# Altium PCB main_io.PcbDoc (part 5 of 6)
Units mil, origin at the board's own origin, x right, y up, seen from the top; angles counter-clockwise.
Board outline 6000 x 9000 mil, 4 copper layers (Top Layer, GND, PWR, Bottom Layer), stack 25.634 mil thick; 548 components, 268 nets, 1608 pads, 404 vias.
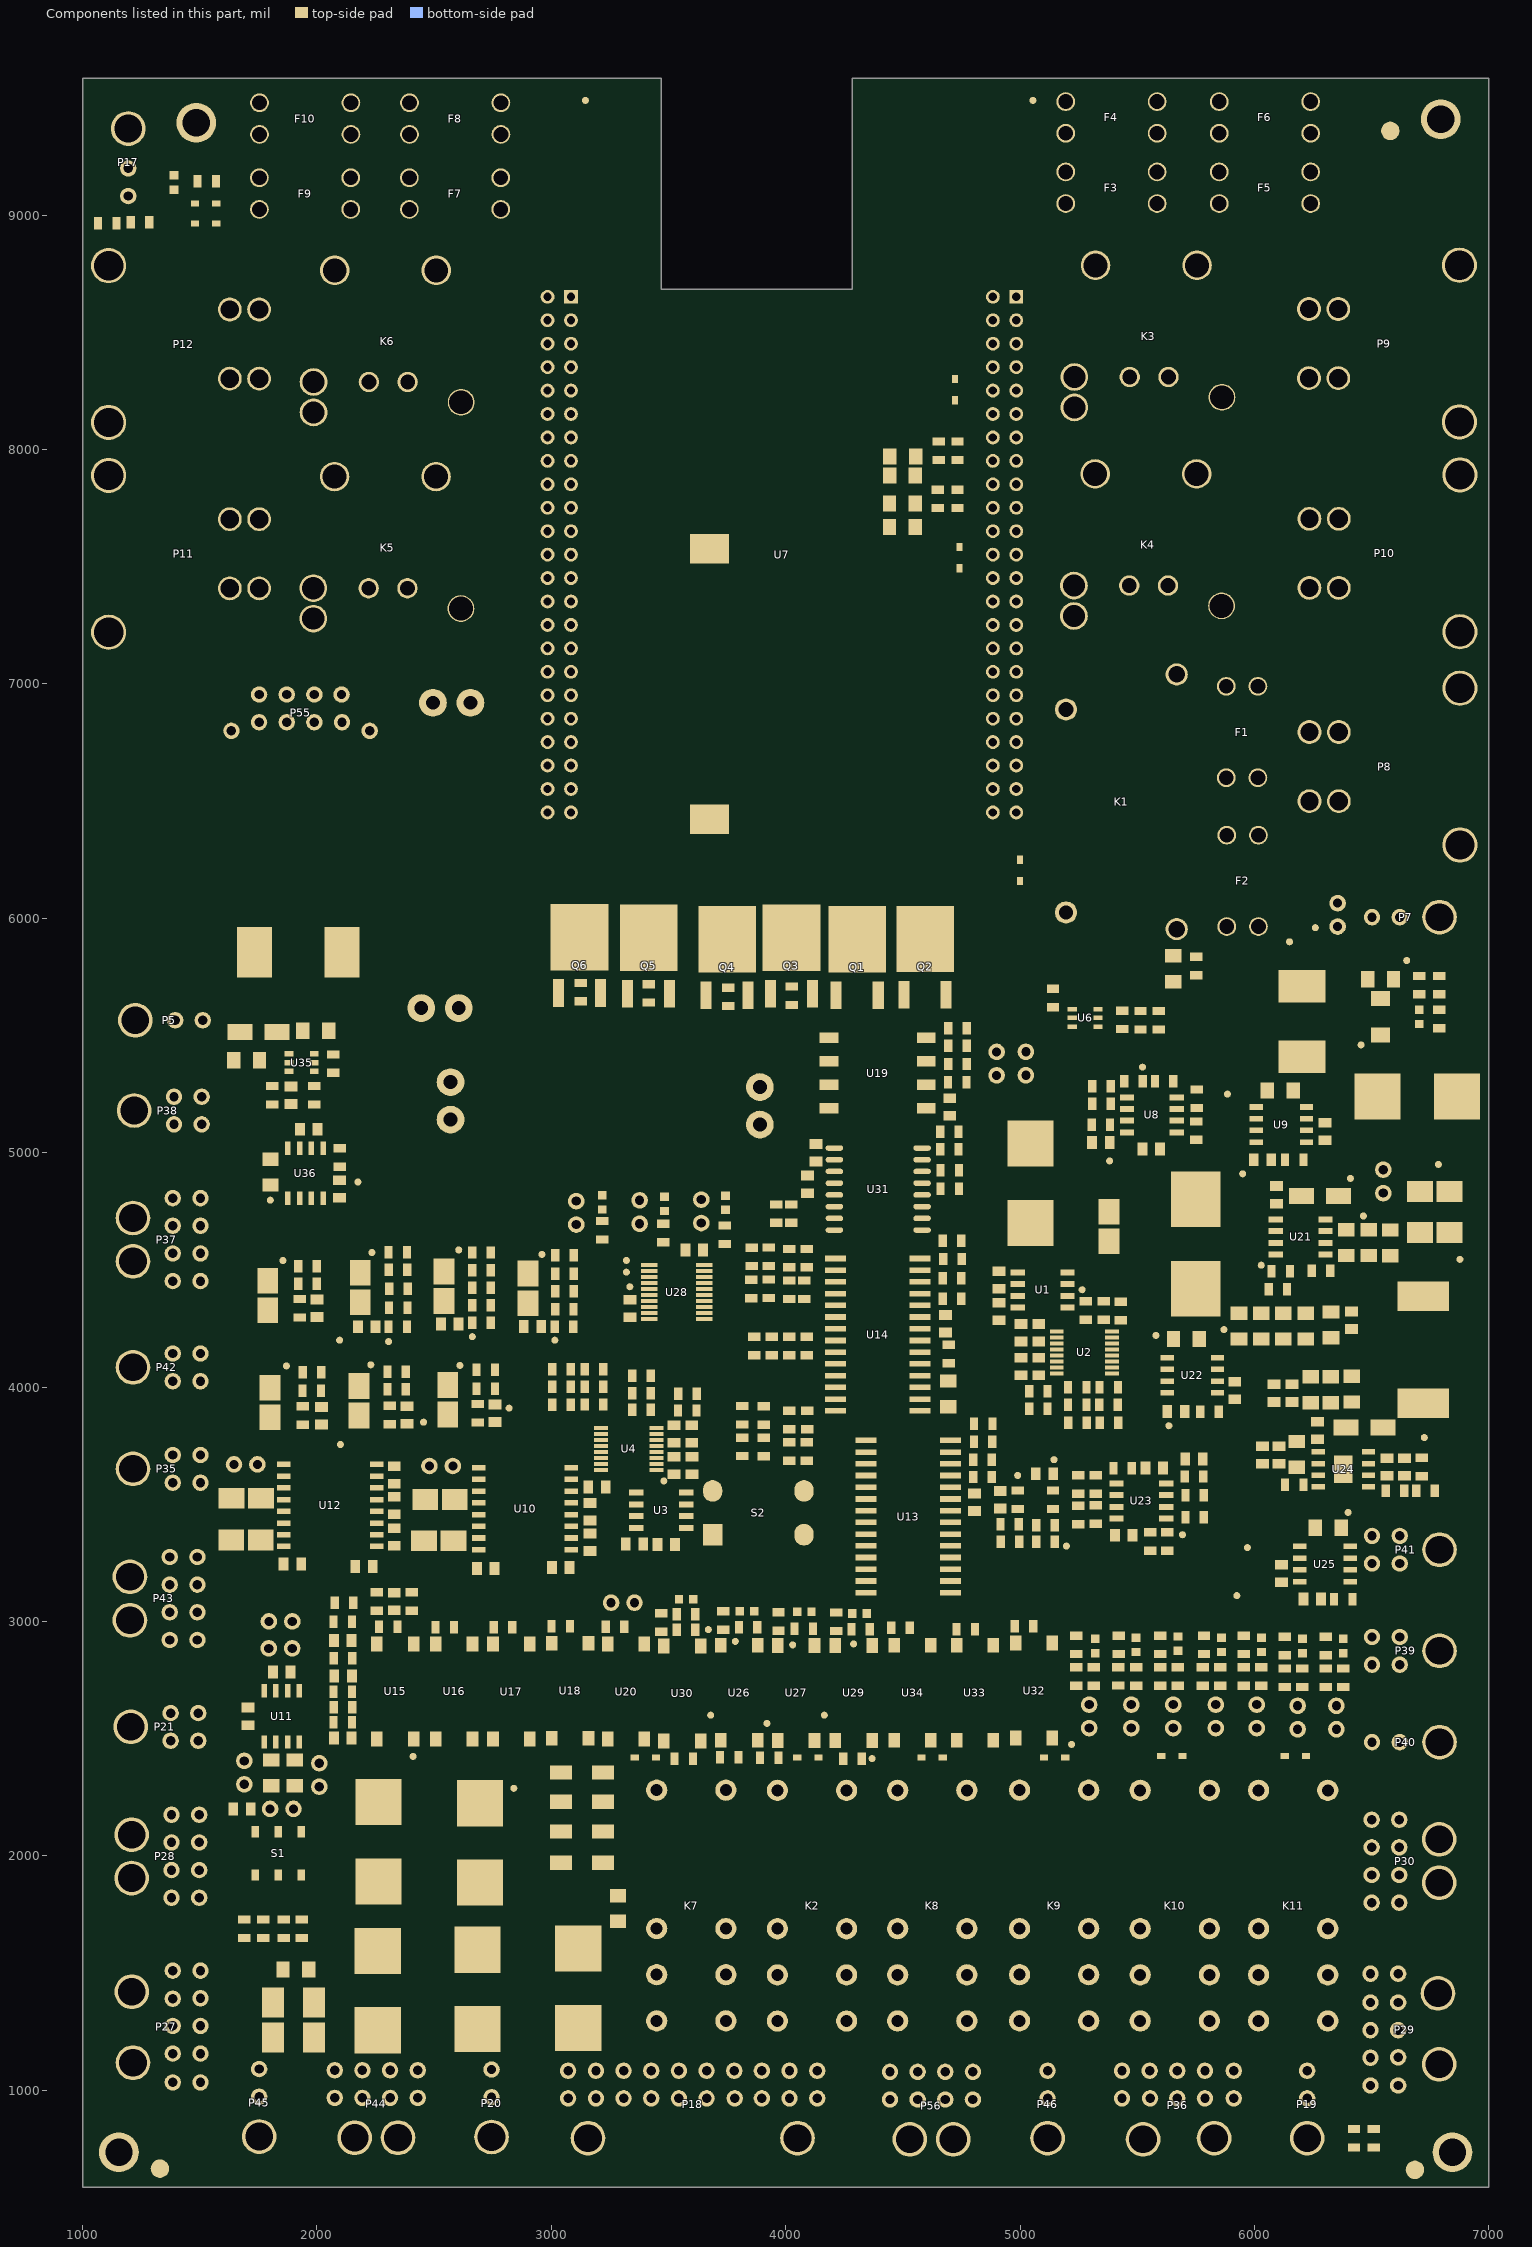
[diagram p7: the components of this part, seen from the top]

## Polygon pours and split planes (outlines as drawn) (continued)
V-POS3.3V on Top Layer "Top Layer-V-POS3.3V 12" (solid, remove dead copper, pour order 970): 4620,7875 4637.01,7892.01 4742.99,7892.01 4760,7875 4760,7815 4755,7810 4625,7810 4620,7815
BMS_MPO1 on Top Layer "Top Layer-BMS_MPO1" (solid, remove dead copper, pour order 98): 1155,9270 1410,9270 1430,9250 1430,9155 1170,9155 1130,9195 1130,9245
"MSTR_SW +" on Top Layer "Top Layer-MSTR_SW + 13" (solid, remove dead copper, pour order 964): 4280,2510 4275,2505 4275,2460 4300,2435 4300,2390 4305,2385 4340,2385 4343.33,2388.33 4343.33,2440 4315,2468.33 4315,2500 4305.29,2509.71
NetR174_2 on Top Layer "Top Layer-NetR174_2" (solid, remove dead copper, pour order 962): 4190,2525 4185,2520 4185,2440 4230,2395 4260,2395 4265,2400 4265,2455 4240,2480 4240,2520 4235,2525
NetR164_2 on Top Layer "Top Layer-NetR164_2" (solid, remove dead copper, pour order 960): 3700,2525 3695,2520 3695,2400 3705,2390 3735,2390 3750,2405 3750,2515 3740,2525
"MSTR_SW +" on Top Layer "Top Layer-MSTR_SW + 14" (solid, remove dead copper, pour order 958): 3780,2515 3770,2505 3770,2407 3787,2390 3900,2390 3915,2405 3915,2440 3905,2450 3830,2450 3825,2455 3825,2510 3820,2515
GND on Top Layer "Top Layer-GND 105" (solid, remove dead copper, pour order 956): 2485,3145 2500,3130 2500,3115 2485,3100 2310,3100 2300,3110 2300,3135 2310,3145
LIM_MCU0 on Top Layer "Top Layer-LIM_MCU0" (solid, remove dead copper, pour order 954): 2420,3080 2465,3035 2465,2892.99 2437.01,2865 2400,2865 2390.98,2874.02 2390.98,3005 2375.98,3020 2234.74,3020 2225,3029.74 2225,3070 2235,3080
V-POS3.3V on Top Layer "Top Layer-V-POS3.3V 6" (solid, remove dead copper, pour order 952): 4703.33,8158.7 4628.7,8158.7 4600,8130 4600,8035 4615,8020 4760,8020 4771.52,8031.52 4771.52,8138.48 4755,8155
V-POS12V on Top Layer "Top Layer-V-POS12V 1" (solid, pour order 890): 17 vertices, not listed, extent 3050,4600 3255,4735
GND on Top Layer "Top Layer-GND 16" (solid, pour order 944): 4005,5740 3990,5725 3990,5695 3995,5690 4080,5690 4085,5685 4085,5580.51 4095.51,5570 4173.86,5570 4185,5581.14 4185,5605 4150,5640 4150,5735 4145,5740
GND on Top Layer "Top Layer-GND 17" (solid, pour order 942): 3729.17,5732.4 3722.91,5726.14 3722.91,5693.71 3729.21,5687.4 3809.21,5687.4 3814.21,5682.4 3814.21,5560.79 3827.6,5547.4 3857.4,5547.4 3869.21,5559.21 3869.21,5722.4 3859.21,5732.4
GND on Top Layer "Top Layer-GND 18" (solid, pour order 940): 3394.17,5742.4 3387.91,5736.14 3387.91,5703.71 3394.21,5697.4 3474.21,5697.4 3479.21,5692.4 3479.21,5557.4 3489.21,5547.4 3529.21,5547.4 3534.21,5552.4 3534.21,5732.4 3524.21,5742.4
GND on Top Layer "Top Layer-GND 22" (solid, pour order 938): 3099.95,5745 3093.69,5738.74 3093.69,5706.31 3100,5700 3180,5700 3185,5695 3185,5560 3195,5550 3235,5550 3240,5555 3240,5735 3230,5745
BATT1_DISABLE on Top Layer "Top Layer-BATT1_DISABLE" (solid, pour order 936): 3905,5742.91 3900,5737.91 3900,5623.43 3915.51,5607.91 4060.63,5607.91 4070,5617.28 4070,5663.91 4061,5672.91 3985,5672.91 3975,5682.91 3975,5737.91 3970,5742.91
BATT0_DISABLE on Top Layer "Top Layer-BATT0_DISABLE" (solid, pour order 934): 3635,5739.37 3630,5734.37 3630,5619.88 3645.51,5604.37 3790.63,5604.37 3800,5613.74 3800,5660.37 3791,5669.37 3715,5669.37 3705,5679.37 3705,5734.37 3700,5739.37
BATT2_DISABLE on Top Layer "Top Layer-BATT2_DISABLE" (solid, pour order 932): 3295,5740 3290,5735 3290,5620.51 3305.51,5605 3450.63,5605 3460,5614.37 3460,5661 3451,5670 3375,5670 3365,5680 3365,5735 3360,5740
BATT3_DISABLE on Top Layer "Top Layer-BATT3_DISABLE" (solid, pour order 930): 2995,5745 2990,5740 2990,5625.51 3005.51,5610 3150.63,5610 3160,5619.37 3160,5666 3151,5675 3075,5675 3065,5685 3065,5740 3060,5745
GND on Top Layer "Top Layer-GND 23" (solid, pour order 924): 5930,5000 5914.37,4984.37 5914.37,4955 5929.37,4940 6016.69,4940 6020,4943.31 6020,4990 6010,5000
NetR86_1 on Top Layer "Top Layer-NetR86_1" (solid, pour order 920): 4654.82,4490.32 4630,4465.5 4630,4465 4530,4465 4525,4460 4525,4435.57 4530,4430.57 4634.43,4430.57 4653.54,4411.46 4653.54,4350 4658.54,4345 4690,4345 4692.78,4347.78 4692.78,4482.54 4685,4490.32
NetR85_1 on Top Layer "Top Layer-NetR85_1" (solid, pour order 918): 4650,4655 4640,4645 4640,4530.47 4621.2,4511.68 4522.83,4511.68 4515,4503.84 4515,4490 4521.02,4483.98 4627.24,4483.98 4653.54,4510.28 4663.27,4520 4684.53,4520 4690,4525.47 4690,4645 4680,4655
NetR168_2 on Top Layer "Top Layer-NetR168_2" (solid, pour order 916): 4115.55,4232.38 3989.78,4232.38 3985,4227.6 3985,4190 3995,4180 4114.72,4180 4120,4185.28 4120,4227.93
V-POS3.3V on Top Layer "Top Layer-V-POS3.3V 9" (solid, pour order 900): 3625,4630 3615,4620 3615,4516.68 3620,4511.68 3723.88,4511.68 3770,4557.8 3770,4620 3760,4630
NetLED4_1 on Top Layer "Top Layer-NetLED4_1" (solid, pour order 898): 3450,4775 3440,4765 3440,4686.14 3451.14,4675 3510,4675 3520,4685 3520,4765 3510,4775
NetLED2_1 on Top Layer "Top Layer-NetLED2_1" (solid, pour order 896): 3770,4775 3715,4775 3705,4765 3705,4665 3710,4660 3770,4660 3775,4665 3775,4770
GND on Top Layer "Top Layer-GND 36" (solid, pour order 894): 3735,4845 3600,4845 3580,4825 3580,4775.4 3601.51,4753.9 3673.9,4753.9 3715,4795 3770,4795 3780,4805 3780,4835 3770.71,4844.29 3739.15,4844.7
GND on Top Layer "Top Layer-GND 96" (solid, pour order 892): 3498.03,4840 3355,4840 3330,4815 3330,4770 3350,4750 3405,4750 3450,4795 3505,4795 3515,4805 3515,4831.11 3506.11,4840
NetLED5_1 on Top Layer "Top Layer-NetLED5_1" (solid, pour order 888): 3192.03,4775 3187.03,4770 3187.03,4683.09 3195,4675.12 3245.12,4675.12 3255,4685 3255,4770 3250,4775
GND on Top Layer "Top Layer-GND 97" (solid, pour order 886): 3205.06,4840 3067.6,4840 3045,4817.4 3045,4760 3060,4745 3145.79,4745 3145.79,4745.79 3165.84,4765.84 3165.84,4790.84 3175,4800 3235,4800 3240,4805 3240,4830 3230.45,4839.55 3205.59,4839.85
"MSTR_SW +" on Top Layer "Top Layer-MSTR_SW + 8" (solid, pour order 882): 3255,1865 3240,1850 3240,1800 3250,1790 3355,1790 3370,1805 3370,1852.84 3357.84,1865 3340,1865
"MSTR_SW +" on Top Layer "Top Layer-MSTR_SW + 10" (solid, pour order 878): 1635.02,1275 1635.02,1174.98 1654,1156 1849.94,1156 1860,1166.06 1860,1275 1845,1290 1650.02,1290
V-POS3.3V on Top Layer "Top Layer-V-POS3.3V 11" (solid, pour order 872): 4230,7620 3935,7620 3885,7570 3885,7090 3905,7070 4220,7070 4250,7100 4250,7600
GND on Top Layer "Top Layer-GND 98" (solid, pour order 868): 3446.54,4299.17 3375.83,4299.17 3360,4315 3360,4320 3242.62,4320 3240,4317.38 3240,4277.62 3242.62,4275 3445,4275 3450,4280 3450,4295.72
MCU_LATCH on Top Layer "Top Layer-MCU_LATCH" (solid, pour order 420): 3692.3,3611.54 3691.94,3611.18 3669.99,3589.14 3670,3524.89 3695.97,3498.92 4111.65,3498.92 4125,3512.28 4125,3599.72 4113.54,3611.18 3757.3,3611.18
GND on Top Layer "Top Layer-GND 99" (solid, pour order 866): 6755,4615 6765,4625 6765,4865 6750,4880 6517,4880 6497,4860 6497,4774.38 6517.48,4753.9 6611.1,4753.9 6630,4735 6630,4625 6640,4615
GND on Top Layer "Top Layer-GND 100" (solid, pour order 860): 3394.57,3363.43 3371.67,3363.43 3362.93,3354.69 3362.93,3266.49 3379.42,3250 3467.93,3250 3482.93,3265 3482.93,3354.69 3472.93,3363.43
THERM_OUT_3 on Top Layer "Top Layer-THERM_OUT_3" (solid, pour order 438): 5137.17,3501.09 5112.17,3501.09 5107.17,3496.09 5107.17,3271.09 5122.16,3256.09 5162.16,3256.09 5172.16,3266.09 5172.17,3496.32 5167.17,3501.32
V-POS12V on Top Layer "Top Layer-V-POS12V 2" (solid, pour order 852): 5494.89,3319.89 5485,3310 5485,3285 5495,3275 5585,3275 5585,3319.89
GND on Top Layer "Top Layer-GND 37" (solid, pour order 850): 5745.63,3000.31 5745.63,2925.51 5751.14,2920 5810,2920 5830,2900 5880,2900 5885,2905 5895,2905 5895,2968.22 5853.22,3010 5755.32,3010
GND on Top Layer "Top Layer-GND 37" (solid, pour order 848): 5555.63,2968.25 5555.63,2925.51 5561.14,2920 5620,2920 5640,2900 5690,2900 5695,2905 5705,2905 5705,2968.22 5678.22,2995 5582.38,2995
GND on Top Layer "Top Layer-GND 37" (solid, pour order 846): 5385.63,2968.25 5385.63,2925.51 5391.14,2920 5450,2920 5470,2900 5520,2900 5525,2905 5535,2905 5535,2968.22 5508.22,2995 5412.38,2995
V-POS5V on Top Layer "Top Layer-V-POS5V 15" (solid, pour order 430): 17 vertices, not listed, extent 5462.17,3331.09 5657.17,3611.09
TELEM_THERM_2 on Top Layer "Top Layer-TELEM_THERM_2" (solid, pour order 424): 5022.17,3636.09 5012.17,3646.09 4973.53,3646.09 4962.17,3634.72 4962.16,3598.66 4956.36,3592.86 4945.59,3582.09 4888.17,3582.09 4882.17,3576.09 4882.17,3521.09 5012.17,3521.09 5022.17,3531.09
GND on Top Layer "Top Layer-GND 43" (solid, pour order 444): 4912.17,3506.09 4847.17,3506.09 4837.17,3496.09 4837.17,3463.7 4849.78,3451.09 4882.17,3451.09 4892.17,3441.09 4892.17,3392.83 4903.91,3381.09 4932.11,3381.09 4942.17,3391.14 4942.17,3501.09 4942.16,3503.7 4939.78,3506.09 4937.17,3506.09
V-POS5V on Top Layer "Top Layer-V-POS5V 14" (solid, pour order 432): 5400,3875 5393.11,3868.11 5393.11,3786.89 5410.69,3769.31 5419.43,3769.31 5435,3784.88 5435,3875
GND on Top Layer "Top Layer-GND 81" (solid, pour order 514): 4510,3009.35 4500,2999.35 4500,2874.35 4510,2864.35 4555,2864.35 4560,2869.35 4560,2999.35 4550,3009.35
PRECHG_HRN on Top Layer "Top Layer-PRECHG_HRN" (solid, pour order 842): 4661.11,4120.28 4657.37,4116.54 4657.37,3997.55 4661.15,3993.77 4728.96,3993.77 4731.68,3996.49 4731.68,4116.03 4727.43,4120.28
GND on Top Layer "Top Layer-GND 72" (solid, pour order 590): 3222.03,2535 3217.03,2530 3217.03,2465 3222.03,2460 3317.03,2460 3332.03,2475 3332.03,2520.31 3317.33,2535
V-POS12V on Top Layer "Top Layer-V-POS5V 21" (solid, pour order 838): 3075,4519.29 3070,4514.29 3070,4464.29 3077.01,4457.28 3167.99,4457.28 3185,4474.29 3185,4505.67 3171,4519.29
V-POS12V on Top Layer "Top Layer-V-POS5V 21" (solid, pour order 836): 2720,4532.99 2715,4527.99 2715,4477.99 2722.01,4470.98 2812.99,4470.98 2830,4487.99 2830,4519.37 2816,4532.99
V-POS12V on Top Layer "Top Layer-V-POS5V 21" (solid, pour order 834): 2370.59,4532.41 2365.59,4527.41 2365.59,4477.41 2372.6,4470.4 2463.58,4470.4 2480.59,4487.41 2480.59,4518.79 2466.59,4532.41
V-POS12V on Top Layer "Top Layer-V-POS12V 3" (solid, pour order 832): 1639.39,1560 1620,1540.61 1620,1334.39 1644.39,1310 1860,1310 1880,1330 1880,1465 1887.4,1472.4 1887.4,1545 1872.4,1560
VBATT-1S on Top Layer "Top Layer-VBATT-1S 3" (solid, pour order 38): 2445,9535 2445,7634.33 2604.33,7475 2865,7475 2900,7510 2900,9505 2870,9535
GND on Top Layer "Top Layer-GND 15" (solid, pour order 180): 4324.37,5730 4305.29,5710.92 4305.29,5629.08 4324.37,5610 4412.72,5610 4435,5632.28 4435,5725 4430,5730
GND on Top Layer "Top Layer-GND 103" (solid, pour order 830): 4650,5735 4640,5725 4640,5691.81 4626.77,5678.58 4600.55,5678.58 4579.72,5657.76 4579.72,5635.28 4605,5610 4697.09,5610 4700,5612.91 4700,5730 4695,5735
V-POS5V on Top Layer "Top Layer-V-POS5V 23" (solid, pour order 824): 3195,4160 3185,4150 3185,4055 3195,4045 3226.54,4045 3239.14,4057.6 3239.14,4149.12 3228.27,4160
NetR84_1 on Top Layer "Top Layer-TELEM_THERM_5" (solid, pour order 820): 3991.42,4425.74 4036.77,4425.74 4044.37,4433.34 4044.37,4525.12 4035.76,4533.73 3995.98,4533.73 3982.36,4519.73 3982.36,4434.79
NetR82_1 on Top Layer "Top Layer-TELEM_THERM_5" (solid, pour order 818): 3898.49,4439.35 3903.49,4434.35 3953.49,4434.35 3960.5,4441.35 3960.5,4532.34 3943.49,4549.35 3912.11,4549.35 3898.49,4535.35
NetR83_1 on Top Layer "Top Layer-TELEM_THERM_5" (solid, pour order 816): 4066.63,4427.49 4107.97,4427.49 4120,4439.52 4120,4530 4112.51,4537.49 4062.56,4537.49 4057.99,4532.8 4057.99,4436.13
GPIO1_RST_n on Top Layer "Top Layer-TELEM_THERM_5" (solid, pour order 814): 3825,4430.71 3830,4425.71 3880,4425.71 3887.01,4432.72 3887.01,4534.24 3880.54,4540.71 3838.62,4540.71 3825,4526.71
NetR71_1 on Top Layer "Top Layer-TELEM_THERM_5" (solid, pour order 810): 4065,3740 4120.49,3740 4122.5,3742.01 4122.5,3841.87 4114.37,3850 4066.42,3850 4060.49,3843.91 4060.49,3744.51
NetR70_1 on Top Layer "Top Layer-TELEM_THERM_5" (solid, pour order 808): 3996.68,3740.17 4042.34,3740.17 4049.02,3746.84 4049.02,3844.2 4043.06,3850.17 3990.55,3850.16 3983.86,3843.28 3983.86,3752.98
NetR72_1 on Top Layer "Top Layer-TELEM_THERM_5" (solid, pour order 806): 3875,3760 3880,3755 3930,3755 3937.01,3762.01 3937.01,3852.99 3920,3870 3888.62,3870 3875,3856
GPIO0_RST_n on Top Layer "Top Layer-TELEM_THERM_5" (solid, pour order 804): 3782.99,3757.5 3787.99,3752.5 3837.99,3752.5 3845,3759.51 3845,3855 3832.5,3867.5 3796.61,3867.5 3782.99,3853.5
"MSTR_SW +" on Top Layer "Top Layer-MSTR_SW + 1" (solid, remove dead copper, pour order 92): 1125,9005 1225,9005 1235,8995 1235,8925 1230,8920 1118.27,8920 1113.27,8925 1113.27,8993.27
BMS_PWR on Top Layer "Top Layer-BMS_PWR" (solid, pour order 578): 3250,1755 3250,1490 3215,1455 3010,1455 3000,1445 3000,1075.32 3042.32,1033 3210.03,1033 3231.99,1054.97 3231.99,1374.59 3330,1472.6 3330,1745 3320,1755
RMS_PWR on Top Layer "Top Layer-RMS_PWR" (solid, pour order 582): 23 vertices, not listed, extent 1930,910 2365,1445
GND on Top Layer "Top Layer-GND 92" (solid, pour order 802): 1470.7,2655 1450,2634.3 1450,2577.6 1470,2557.6 1472.4,2560 1602.6,2560 1651.6,2609 1734,2609 1739,2609 1745,2615 1745,2645 1735,2655
LIM_MCU2 on Top Layer "Top Layer-LIM_MCU2" (solid, pour order 570): 2120,2869.4 2120,2680 2125,2675 2175,2675 2185,2685 2185,2870.08 2180.51,2874.5 2124.06,2873.53
GND on Top Layer "Top Layer-GND 94" (solid, pour order 796): 1619.29,2229.29 1610,2220 1610,2120 1620,2110 1660,2110 1670,2120 1670,2224.29 1665,2229.29
GND on Top Layer "Top Layer-GND 95" (solid, pour order 794): 1868.94,2921 1854.88,2906.95 1854.88,2674.49 1859.37,2670 1895,2670 1900,2675 1900,2750 1910,2760 1910,2840 1934.62,2864.62 1934.46,2908.85 1922.31,2921
V-POS5V on Top Layer "Top Layer-V-POS5V 31" (solid, pour order 792): 1740.63,2815 1730,2804.37 1730,2775 1750,2755 1795.75,2755 1795.75,2754.25 1805,2745 1805,2678.4 1812.4,2671 1836,2671 1840,2675 1840,2805 1830,2815
CAN1_TERM_H on Top Layer "Top Layer-CAN1_TERM_H" (solid, pour order 786): 1910,2330 1879.49,2330 1863.94,2314.45 1863.94,2171.06 1905,2130 1905,2060 1915,2050 1961.52,2050 1968.52,2057 1968.52,2176.48 1955,2190 1955,2320 1945,2330
CAN1_TERM_L on Top Layer "Top Layer-CAN1_TERM_L" (solid, pour order 784): 19 vertices, not listed, extent 1685,2050 1859.37,2330
CAN1_L on Top Layer "Top Layer-CAN1_L 1" (solid, pour order 780): 1812.4,2515 1812.6,2453.19 1804.41,2445 1660,2445 1650,2435 1650,2370 1660,2360 1826.06,2360 1840,2373.94 1840,2511.06 1836.06,2515
V-POS3.3V on Top Layer "Top Layer-V-POS3.3V 5" (solid, pour order 778): 1670,2580 1670,2520 1730,2460 1794.39,2460 1790,2464.39 1790,2564.39 1774.39,2580
GND on Top Layer "Top Layer-GND 46" (solid, pour order 774): 1510,3531.4 1510,3485 1522.39,3472.61 1683.61,3472.61 1696,3485 1696,3550.75 1671.75,3575 1553.6,3575
GND on Top Layer "Top Layer-GND 47" (solid, pour order 644): 1687.4,3395 1592.6,3395 1580,3382.4 1580,3270 1605,3245 1670.75,3245 1695,3269.25 1695,3387.4
GND on Top Layer "Top Layer-GND 48" (solid, pour order 574): 2115,3029.35 2114.35,3030 2015,3030 2010,3025 2010,2811 2061,2760 2110,2760 2115,2765
NetR132_1 on Top Layer "Top Layer-NetR132_1" (solid, pour order 772): 3071.42,4219.09 3119.09,4219.09 3125,4225 3125,4430.8 3107.99,4447.81 3076.61,4447.81 3062.99,4433.81 3062.99,4227.52
NetR124_1 on Top Layer "Top Layer-NetR124_1" (solid, pour order 770): 2721.42,4234.09 2769.09,4234.09 2775,4240 2775,4445.8 2757.99,4462.81 2726.61,4462.81 2712.99,4448.81 2712.99,4242.52
ADC_EXTRA2 on Top Layer "Top Layer-ADC_EXTRA2" (solid, pour order 768): 3040.63,4230 3045.63,4235 3045.63,4285 3038.62,4292.01 2947.64,4292.01 2930.63,4275 2930.63,4243.62 2944.63,4230
ADC_EXTRA1 on Top Layer "Top Layer-ADC_EXTRA1" (solid, pour order 766): 2685.63,4240 2690.63,4245 2690.63,4295 2683.62,4302.01 2592.64,4302.01 2575.63,4285 2575.63,4253.62 2589.63,4240
ADC_EXTRA0 on Top Layer "Top Layer-ADC_EXTRA0" (solid, pour order 764): 2335.63,4227.6 2340.63,4232.6 2340.63,4282.6 2333.62,4289.61 2242.64,4289.61 2225.63,4272.6 2225.63,4241.22 2239.63,4227.6
NetR113_1 on Top Layer "Top Layer-NetR113_1" (solid, pour order 762): 2362.8,4225 2410.47,4225 2416.38,4230.91 2416.38,4436.71 2399.37,4453.72 2367.99,4453.72 2354.37,4439.72 2354.37,4233.43
TELEM_THERM_4 on Top Layer "Top Layer-TELEM_THERM_4" (solid, pour order 760): 2730,3914.37 2735,3909.37 2785,3909.37 2792.01,3916.38 2792.01,4007.36 2775,4024.37 2743.62,4024.37 2730,4010.37
TELEM_THERM_1 on Top Layer "Top Layer-TELEM_THERM_1" (solid, pour order 758): 2355,3904.37 2360,3899.37 2410,3899.37 2417.01,3906.38 2417.01,3997.36 2400,4014.37 2368.62,4014.37 2355,4000.37
TELEM_THERM_0 on Top Layer "Top Layer-TELEM_THERM_0" (solid, pour order 756): 1990,3904.37 1995,3899.37 2045,3899.37 2052.01,3906.38 2052.01,3997.36 2035,4014.37 2003.62,4014.37 1990,4000.37
TELEM_THERM_5 on Top Layer "Top Layer-TELEM_THERM_5" (solid, pour order 754): 1970,4362.36 1975,4357.36 2025,4357.36 2032.01,4364.37 2032.01,4455.35 2015,4472.36 1983.62,4472.36 1970,4458.36
V-POS5V on Top Layer "Top Layer-V-POS5V 16" (solid, pour order 752): 2734.37,4101.17 2729.37,4096.17 2729.37,4046.17 2736.38,4039.16 2827.36,4039.16 2844.37,4056.17 2844.37,4087.55 2830.37,4101.17
V-POS5V on Top Layer "Top Layer-V-POS5V 17" (solid, pour order 750): 2359.37,4095.5 2354.37,4090.5 2354.37,4040.5 2361.38,4033.49 2452.36,4033.49 2469.37,4050.5 2469.37,4081.88 2455.37,4095.5
V-POS5V on Top Layer "Top Layer-V-POS5V 18" (solid, pour order 748): 1994.37,4095.5 1989.37,4090.5 1989.37,4040.5 1996.38,4033.49 2087.36,4033.49 2104.37,4050.5 2104.37,4081.88 2090.37,4095.5
V-POS5V on Top Layer "Top Layer-V-POS5V 19" (solid, pour order 746): 3079.37,4595 3074.37,4590 3074.37,4540 3081.38,4532.99 3172.36,4532.99 3189.37,4550 3189.37,4581.38 3175.37,4595
V-POS5V on Top Layer "Top Layer-V-POS5V 20" (solid, pour order 744): 2729.37,4605 2724.37,4600 2724.37,4550 2731.38,4542.99 2822.36,4542.99 2839.37,4560 2839.37,4591.38 2825.37,4605
V-POS5V on Top Layer "Top Layer-V-POS5V 21" (solid, pour order 742): 2375,4605 2370,4600 2370,4550 2377.01,4542.99 2467.99,4542.99 2485,4560 2485,4591.38 2471,4605
V-POS5V on Top Layer "Top Layer-V-POS5V 22" (solid, pour order 740): 1980,4545 1975,4540 1975,4490 1982.01,4482.99 2072.99,4482.99 2090,4500 2090,4531.38 2076,4545
GND on Top Layer "Top Layer-GND 49" (solid, pour order 738): 18 vertices, not listed, extent 2790,4230.5 3040,4410
GND on Top Layer "Top Layer-GND 50" (solid, pour order 736): 18 vertices, not listed, extent 2426.26,4236.57 2676.26,4428.78
GND on Top Layer "Top Layer-GND 51" (solid, pour order 734): 18 vertices, not listed, extent 2080,4227.8 2330,4420
ANLG_EXC_2 on Top Layer "Top Layer-ANLG_EXC_2" (solid, pour order 732): 3025,4601.22 2936.22,4601.22 2925,4590 2925,4560 2935,4550 2990,4550 2995,4545 2995,4470 3000,4465 3035,4465 3040,4470 3040,4592.7 3032.7,4600
ANLG_EXC_1 on Top Layer "Top Layer-ANLG_EXC_1" (solid, pour order 730): 2675,4606.22 2586.22,4606.22 2575,4595 2575,4565 2585,4555 2640,4555 2645,4550 2645,4475 2650,4470 2685,4470 2690,4475 2690,4597.7 2682.7,4605
ANLG_EXC_0 on Top Layer "Top Layer-ANLG_EXC_0" (solid, pour order 728): 2315,4606.22 2226.22,4606.22 2215,4595 2215,4565 2225,4555 2280,4555 2285,4550 2285,4475 2290,4470 2325,4470 2330,4475 2330,4597.7 2322.7,4605
THERM_OUT_4 on Top Layer "Top Layer-THERM_OUT_4" (solid, pour order 720): 2500,3965 2510,3955 2625,3955 2655,3925 2655,3910 2660,3905 2710,3905 2715,3910 2715,3920 2715,4110 2707.2,4117.8 2522.8,4117.8 2500,4095
THERM_OUT_1 on Top Layer "Top Layer-THERM_OUT_1" (solid, pour order 718): 2120,3962.36 2130,3952.36 2245,3952.36 2275,3922.36 2275,3907.36 2280,3902.36 2330,3902.36 2335,3907.36 2335,3917.36 2335,4107.36 2327.2,4115.16 2142.8,4115.16 2120,4092.36
THERM_OUT_0 on Top Layer "Top Layer-THERM_OUT_0" (solid, pour order 716): 1755,3947.2 1765,3937.2 1880,3937.2 1910,3907.2 1910,3892.2 1915,3887.2 1965,3887.2 1970,3892.2 1970,3902.2 1970,4092.2 1962.2,4100 1777.8,4100 1755,4077.2
THERM_OUT_5 on Top Layer "Top Layer-THERM_OUT_5" (solid, pour order 714): 1740,4405 1750,4395 1865,4395 1895,4365 1895,4350 1900,4345 1950,4345 1955,4350 1955,4360 1955,4550 1947.2,4557.8 1762.8,4557.8 1740,4535
V-POS5V on Top Layer "Top Layer-V-POS5V 23" (solid, pour order 712): 3410,4135 3400,4125 3400,4030 3410,4020 3441.54,4020 3454.14,4032.6 3454.14,4124.12 3443.27,4135
NetR16_1 on Top Layer "Top Layer-NetR16_1" (solid, pour order 704): 3515,3875 3520,3870 3555.47,3870 3560,3874.53 3560,4000 3555.47,4004.53 3519.53,4004.53 3515,4000
V-POS5V on Top Layer "Top Layer-V-POS5V 24" (solid, pour order 710): 3690,3940 3700,3950 3700,4025.12 3695.06,4030 3600,4030 3595,4025 3595,3945 3600,3940
NetR15_1 on Top Layer "Top Layer-NetR15_1" (solid, pour order 708): 3326.74,3870.47 3331.74,3865.47 3367.21,3865.47 3371.74,3870 3371.74,4000 3370.74,4000 3365.74,4005 3331.74,4005 3326.74,4000
GND on Top Layer "Top Layer-GND 52" (solid, pour order 706): 3600,3930 3595,3925 3595,3813.92 3598.92,3810 3695,3810 3705,3820 3705,3850.65 3680.65,3875 3645.28,3875 3640.28,3880 3640.28,3927.42 3640.06,3927.42 3637.48,3930
GND on Top Layer "Top Layer-GND 53" (solid, pour order 702): 3500.97,3860 3489.17,3848.2 3489.17,3823.68 3502.84,3810 3695,3810 3705,3820 3705,3850.65 3695.65,3860
GND on Top Layer "Top Layer-GND 54" (solid, pour order 700): 3420,3730 3695,3730 3705,3720 3705,3661.61 3690,3646.61 3656,3646.61 3622.61,3680 3500,3680 3495,3685 3495,3705 3485,3715 3420,3715
NetR14_1 on Top Layer "Top Layer-NetR14_1" (solid, pour order 694): 3085,4110.45 3063.24,4110.45 3059.87,4107.07 3059.87,3902 3072.57,3889.29 3089.68,3889.29 3107.57,3907.19 3107.57,4100.39 3100.85,4110.45
NetR13_1 on Top Layer "Top Layer-NetR13_1" (solid, pour order 696): 3125,4110.45 3118.49,4103.94 3118.49,3897.19 3122.84,3892.83 3155.65,3892.83 3166.21,3903.4 3166.21,4099.24 3155,4110.45
V-4P5VRef_2 on Top Layer "Top Layer-V-4P5VRef_2" (solid, pour order 692): 20 vertices, not listed, extent 3332.41,3482.05 3613.39,3654.43
GND on Top Layer "Top Layer-GND 55" (solid, pour order 688): 3210,3600 3205,3595 3205,3505 3225,3485 3255,3485 3267.4,3497.4 3267.4,3592.6 3260,3600
GND on Top Layer "Top Layer-GND 56" (solid, pour order 686): 3063.47,3263 3040.42,3239.94 3040.42,3215.42 3055.87,3199.97 3149.97,3199.97 3165.84,3215.84 3165.84,3249.16 3152,3263
NetC23_2 on Top Layer "Top Layer-NetC32_2" (solid, pour order 684): 3058.11,3470.85 3055,3467.74 3055,3446.85 3061,3440.85 3126.04,3440.85 3135,3431.89 3135,3413.46 3140,3408.46 3196.98,3408.46 3200,3411.48 3200,3451.85 3190,3461.85 3119,3461.85 3110,3470.85
NetC21_1 on Top Layer "Top Layer-NetC30_1" (solid, pour order 682): 3054.11,3414 3051,3410.89 3051,3390 3053.57,3387.43 3118.61,3387.43 3136,3370.04 3136,3359 3143.39,3351.61 3192.98,3351.61 3196,3354.63 3196,3395 3190.43,3400.57 3119.43,3400.57 3106,3414
GND on Top Layer "Top Layer-GND 57" (solid, pour order 678): 2235.47,3265 2215,3244.53 2215,3220 2230,3205 2351,3205 2360,3214 2360,3216 2360,3250 2345,3265
NetC32_2 on Top Layer "Top Layer-NetC41_2" (solid, pour order 676): 2300,3610 2280,3590 2280,3586.12 2226.12,3586.12 2220,3580 2220,3556 2225.63,3550.37 2225.63,3550 2279,3550 2294,3565 2360,3565 2364.89,3569.89 2365,3569.89 2365,3605 2360,3610
NetC29_1 on Top Layer "Top Layer-NetC38_1" (solid, pour order 674): 2223.11,3435 2220,3431.89 2220,3411 2226,3405 2291.04,3405 2300,3396.04 2300,3377.61 2305,3372.61 2361.98,3372.61 2365,3375.63 2365,3416 2355,3426 2284,3426 2275,3435
GND on Top Layer "Top Layer-GND 58" (solid, pour order 672): 2300.47,3685.42 2290,3674.94 2290,3650.42 2300,3640.42 2400.42,3640.42 2410,3650 2410,3675 2399.58,3685.42
NetC30_2 on Top Layer "Top Layer-NetC39_2" (solid, pour order 670): 2230.47,3489.49 2220,3479.01 2220,3461.95 2227.46,3454.49 2360.12,3454.49 2365,3459.37 2365,3484.49 2360,3489.49
NetC30_1 on Top Layer "Top Layer-NetC39_1" (solid, pour order 668): 2230.47,3540.42 2220,3529.94 2220,3505.42 2224,3501.42 2354.04,3501.42 2365,3512.38 2365,3535.42 2360,3540.42
NetC25_2 on Top Layer "Top Layer-NetC34_2" (solid, pour order 666): 3061.31,3585.31 3050.84,3574.83 3050.84,3550.31 3060.84,3540.31 3190.84,3540.31 3190.84,3541.31 3195.84,3546.31 3195.84,3580.31 3190.84,3585.31
NetC23_1 on Top Layer "Top Layer-NetC32_1" (solid, pour order 664): 3063.73,3530.42 3053.25,3519.94 3053.25,3495.42 3063.25,3485.42 3193.25,3485.42 3193.25,3486.42 3198.25,3491.42 3198.25,3525.42 3193.25,3530.42
NetC21_2 on Top Layer "Top Layer-NetC30_2" (solid, pour order 662): 3065.89,3325.42 3055.42,3314.94 3055.42,3290.42 3065.42,3280.42 3195.42,3280.42 3195.42,3281.42 3200.42,3286.42 3200.42,3320.42 3195.42,3325.42
NetC29_2 on Top Layer "Top Layer-NetC38_2" (solid, pour order 660): 2230.47,3345 2220,3334.53 2220,3310 2230,3300 2360,3300 2360,3301 2365,3306 2365,3340 2360,3345
NetC24_2 on Top Layer "Top Layer-NetC33_2" (solid, pour order 658): 3115,3340 3050,3340 3033,3323 3033,3194 3029.5,3194 3024.5,3189 2974,3189 2974,3189.63 2964,3199.63 2964,3363.88 2974,3373.88 3114.12,3373.88 3124,3364 3124,3349
NetC31_2 on Top Layer "Top Layer-NetC40_2" (solid, pour order 656): 2276,3356 2211,3356 2194,3339 2194,3210 2190.5,3210 2185.5,3205 2135,3205 2135,3205.63 2125,3215.63 2125,3379.88 2130.12,3385 2280,3385 2285,3380 2285,3365
GND on Top Layer "Top Layer-GND 59" (solid, pour order 650): 2678.8,3380 2660,3380 2655,3374.88 2655,3338.14 2660,3333.14 2726.13,3333.14 2730,3329.27 2730,3200 2745,3185 2781,3185 2790,3194 2790,3358.91 2768.91,3380
GND on Top Layer "Top Layer-GND 60" (solid, pour order 648): 1853.8,3395 1835,3395 1830,3389.88 1830,3353.14 1835,3348.14 1901.13,3348.14 1905,3344.27 1905,3215 1920,3200 1956,3200 1965,3209 1965,3373.91 1943.91,3395
GND on Top Layer "Top Layer-GND 61" (solid, pour order 646): 2450.2,3570 2395,3570 2390,3564.89 2390,3270 2425,3235 2485.75,3235 2515,3264.25 2515,3563.36 2507.36,3571 2490,3571
GND on Top Layer "Top Layer-GND 62" (solid, pour order 642): 1770.45,4380.5 1731.09,4380.5 1720,4369.41 1720,4250.5 1760,4210.5 2002.09,4210.5 2040,4248.41 2040,4310.5 2021.31,4329.19 1863.61,4329.19 1830,4362.79 1830,4370.94 1820.45,4380.5
GND on Top Layer "Top Layer-GND 63" (solid, pour order 640): 2535.45,3942.91 2496.09,3942.91 2485,3931.83 2485,3812.91 2525,3772.91 2767.09,3772.91 2805,3810.83 2805,3872.91 2786.31,3891.61 2628.61,3891.61 2595,3925.21 2595,3933.36 2585.45,3942.91
GND on Top Layer "Top Layer-GND 64" (solid, pour order 638): 2167.69,3940 2128.33,3940 2117.24,3928.91 2117.24,3810 2157.24,3770 2399.33,3770 2437.24,3807.91 2437.24,3870 2418.55,3888.69 2260.85,3888.69 2227.24,3922.3 2227.24,3930.45 2217.69,3940
GND on Top Layer "Top Layer-GND 65" (solid, pour order 636): 1785.45,3930 1746.09,3930 1735,3918.91 1735,3800 1775,3760 2017.09,3760 2055,3797.91 2055,3860 2036.31,3878.69 1878.61,3878.69 1845,3912.3 1845,3920.45 1835.45,3930
NetR182_2 on Top Layer "Top Layer-NetR182_2" (solid, pour order 634): 4550,4985 4540,4975 4540,4955 4550,4945 4620,4945 4640,4925 4640,4823.27 4648.27,4815 4680,4815 4681.71,4816.71 4681.71,4823.29 4681.71,4955.6 4677.31,4960 4640,4960 4615,4985
NetR179_2 on Top Layer "Top Layer-NetR179_2" (solid, pour order 632): 4680,5120 4620,5120 4545,5045 4545,5003.39 4553.39,4995 4625,4995 4635,4985 4680,4985 4690,4995 4688.13,4996.87 4688.13,5115
GND on Top Layer "Top Layer-GND 66" (solid, pour order 630): 4612.76,4787.6 4645.67,4787.6 4675,4758.27 4675,4695 4625,4645 4609.79,4645
GND on Top Layer "Top Layer-GND 67" (solid, pour order 628): 4545,4885 4535,4875 4535,4663.39 4553.39,4645 4615,4645 4625,4655 4625,4665 4625,4875 4615,4885 4609.02,4885
GND on Top Layer "Top Layer-GND 68" (solid, pour order 626): 4599.96,5215 4556.9,5215 4548.39,5206.48 4548.39,5141.61 4556.5,5133.5 4779.13,5133.5 4800.63,5155 4800.63,5194.37 4788.52,5206.48 4651.12,5206.48 4640,5215
V-POS3.3V on Top Layer "Top Layer-V-POS3.3V" (solid, pour order 624): 4505.87,5315 4500,5309.13 4500,5245 4510,5235 4650,5235 4675,5210 4731.77,5210 4734.78,5212.99 4735.01,5254.99 4730,5260 4663.27,5260 4648.27,5275 4648.27,5301.73 4635,5315
NetR130_2 on Top Layer "Top Layer-NetR130_2" (solid, pour order 622): 4560,5415 4560,5414.41 4553.39,5407.8 4553.39,5365 4555,5365 4590,5330 4655,5330 4672.31,5312.69 4672.31,5272.06 4675,5269.37 4714.37,5269.37 4715.71,5270.71 4715.71,5279.29 4715.71,5404.29 4705,5415
NetR127_2 on Top Layer "Top Layer-NetR127_2" (solid, pour order 620): 4605,5560 4555,5510 4555,5470 4580,5445 4652.31,5445 4672.31,5425 4710,5425 4715,5430 4715,5549.49 4713.84,5549.49 4703.33,5560
NetBT2_2 on Top Layer "Top Layer-NetBT2_2" (solid, pour order 616): 4950,4940 4950.63,4939.37 5143.27,4939.37 5143.27,5171.73 5110,5205 4914.03,5205 4895,5185.97 4895,4989.37 4945,4939.37
"MSTR_SW +" on Top Layer "Top Layer-MSTR_SW + 3" (solid, pour order 614): 5425,5280 5430,5275 5462.91,5275 5467.91,5280 5466.22,5281.69 5466.22,5373.19 5488.03,5395 5750,5395 5750,5445 5698.27,5475 5665,5445 5432.76,5445 5425,5437.24
NetR61_2 on Top Layer "Top Layer-NetR61_2" (solid, pour order 612): 5505,5384.33 5490,5369.33 5490,5276.97 5468.03,5255 5428.01,5255 5425,5251.99 5425,5225 5430,5220 5545,5220 5590,5265 5590,5374.33 5580,5384.33
GND on Top Layer "Top Layer-GND 69" (solid, pour order 610): 5641.93,5355 5631.57,5344.65 5631.57,5223.94 5635.52,5220 5706.52,5220 5730.52,5244 5781.8,5244 5785,5247.2 5785,5256.79 5785,5315 5745,5355
NetR47_1 on Top Layer "Top Layer-NetR43_1" (solid, pour order 608): 5725,5166.77 5713.23,5155 5635,5155 5630,5150 5630,5123.62 5635,5118.62 5716.38,5118.62 5725,5110 5790,5110 5795,5115 5795,5208.03 5788.03,5215 5727.6,5215 5725,5212.4
V-POS5V on Top Layer "Top Layer-V-POS5V 28" (solid, pour order 606): 5450,5099.37 5429.37,5099.37 5425,5095 5425,4990 5430,4985 5540,4985 5545,4990 5545,5050 5495,5100
NetR60_2 on Top Layer "Top Layer-NetR60_2" (solid, pour order 604): 22 vertices, not listed, extent 5280,5085 5495,5240
TELEM_V_24V on Top Layer "Top Layer-TELEM_V_24V" (solid, pour order 602): 5365,5150 5360,5145 5360,5005 5365,5000 5400,5000 5405,5005 5405,5145 5400,5150
NetR60_1 on Top Layer "Top Layer-NetR60_1" (solid, pour order 600): 5365,5315 5360,5310 5360,5190 5370,5180 5500,5180 5500,5205 5495,5210 5419.33,5210 5416.93,5212.4 5413.23,5216.1 5413.23,5308.27 5406.5,5315
GND on Top Layer "Top Layer-GND 70" (solid, pour order 598): 4865,4805 4850,4790 4855,4785 4855,4583.15 4888.15,4550 5145.12,4550 5165,4569.88 5165,4790 5150,4805
GND on Top Layer "Top Layer-GND 71" (solid, pour order 596): 5329.88,4680 5325,4675.12 5325,4510.63 5341.13,4494.5 5418.87,4494.5 5425,4500.63 5425,4674.33 5419.33,4680
NetR59_1 on Top Layer "Top Layer-NetR59_1" (solid, pour order 188): 6185,5065 6250,5065 6258.9,5056.1 6259.88,5056.1 6259.88,4945.47 6249.41,4935 6185.59,4935 6180,4940.59 6180,5060
NetR167_2 on Top Layer "Top Layer-NetR167_2" (solid, pour order 594): 3948.5,2525 3935,2511.5 3935,2395 3945,2385 3990,2385 3995,2390 3995,2520 3990,2525
Low_Contactor_DRV on Top Layer "Top Layer-Low_Contactor_DRV 1" (solid, pour order 588): 2194,2340 2165,2340 2150,2325 2150,2140 2165,2125 2850,2125 2875,2150 2875,2325 2860,2340 2850,2340
GND on Top Layer "Top Layer-GND 73" (solid, pour order 576): 2240,1699 2239,1700 2165,1700 2155,1690 2155,1505 2160,1500 3210,1500 3216.57,1506.57 3216.57,1688.43 3206,1699 3199,1699
PUMP_POS on Top Layer "Top Layer-PUMP_POS" (solid, pour order 584): 1910,1290 1895,1275 1895,1160 1870,1135 1725,1135 1705,1115 1705,1040 1715,1030 1920,1030 2040,1150 2040,1285 2035,1290
Therm_PWR on Top Layer "Top Layer-Therm_PWR" (solid, pour order 580): 17 vertices, not listed, extent 1925,1030 2805,1555
GND on Top Layer "Top Layer-GND 74" (solid, pour order 568): 2960,2525 2975,2540 3055,2540 3090,2505 3090,1805 2985,1805 2965,1825 2960,1825
MCU_PUMP_PWR on Top Layer "Top Layer-MCU_PUMP_PWR" (solid, pour order 560): 3327.61,3124.88 3310,3107.26 3310,3060.24 3337.97,3032.26 3361.09,3009.15 3361.09,2871.81 3370,2862.89 3416.14,2862.89 3420,2866.75 3420,2876.75 3420,3113.25 3408.37,3124.88
V-POS3.3V on Top Layer "Top Layer-V-POS3.3V 1" (solid, pour order 558): 3693.86,3087.44 3693.86,3090.6 3738.27,3135 4180,3135 4245,3070 4245,3030 4231.66,3016.66 4177.92,3016.66 4168.86,3025.72 4168.86,3081.14 4165,3085 4164.37,3084.37 3770,3084.37
V-POS3.3V on Top Layer "Top Layer-V-POS3.3V 2" (solid, pour order 554): 4168.86,3025.72 4186.97,3007.61 4303.86,3007.61 4313.86,3017.61 4313.86,3051.14 4298.86,3066.14 4171.14,3066.14 4168.86,3063.86
V-POS3.3V on Top Layer "Top Layer-V-POS3.3V 3" (solid, pour order 552): 3705,3024.58 3711.97,3017.61 3828.86,3017.61 3838.86,3027.61 3838.86,3084.85 3818.71,3105 3711.42,3105 3705,3098.58
V-POS3.3V on Top Layer "Top Layer-V-POS3.3V 4" (solid, pour order 550): 3928.86,3030.72 3946.97,3012.61 4063.86,3012.61 4073.86,3022.61 4073.86,3079.85 4061.11,3092.61 3939.03,3092.61 3928.86,3082.44
NetLED6_2 on Top Layer "Top Layer-NetLED6_2" (solid, pour order 548): 3859.38,3070 3851.68,3062.3 3851.68,2952.24 3861.68,2942.24 3908.92,2942.24 3911.68,2945 3911.68,3062.6 3904.28,3070
NetLED8_2 on Top Layer "Top Layer-NetLED8_2" (solid, pour order 546): 4342.07,3065 4334.37,3057.3 4334.37,2947.24 4344.37,2937.24 4391.61,2937.24 4394.37,2940 4394.37,3057.6 4386.97,3065
NetLED7_2 on Top Layer "Top Layer-NetLED7_2" (solid, pour order 544): 4092.7,3065 4085,3057.3 4085,2947.24 4095,2937.24 4142.24,2937.24 4145,2940 4145,3057.6 4137.6,3065
RETRO_2_MCU on Top Layer "Top Layer-RETRO_2_MCU" (solid, pour order 542): 4309.49,2795 4315,2800.51 4315,2941.26 4254.37,3001.89 4197.13,3001.89 4184.37,2989.13 4184.37,2809.92 4199.29,2795
RETRO_2_MCU on Top Layer "Top Layer-RETRO_2_MCU 1" (solid, pour order 540): 4180.73,2941.35 4198.84,2923.24 4315.73,2923.24 4325.73,2933.24 4325.73,2990.48 4312.97,3003.24 4190.89,3003.24 4180.73,2993.07
RETRO_1_MCU on Top Layer "Top Layer-RETRO_1_MCU" (solid, pour order 538): 3928.86,2945.72 3946.97,2927.61 4063.86,2927.61 4073.86,2937.61 4073.86,2994.85 4061.11,3007.61 3939.03,3007.61 3928.86,2997.44
RETRO_1_MCU on Top Layer "Top Layer-RETRO_1_MCU 1" (solid, pour order 536): 3946.14,2989.31 3928.03,2971.21 3928.03,2806.34 3935.08,2799.29 4054.92,2799.29 4063.86,2808.23 4063.86,2927.61 4002.15,2989.31
RETRO_0_MCU on Top Layer "Top Layer-RETRO_0_MCU" (solid, pour order 534): 3699.47,2945.72 3717.58,2927.61 3834.47,2927.61 3844.47,2937.61 3844.47,2994.85 3831.71,3007.61 3709.63,3007.61 3699.47,2997.44
RETRO_0_MCU on Top Layer "Top Layer-RETRO_0_MCU 1" (solid, pour order 532): 3714.14,2999.94 3699.47,2985.27 3699.47,2845.53 3720,2825 3810,2825 3835,2850 3835,2930.81 3765.87,2999.94
NetLED9_2 on Top Layer "Top Layer-NetLED9_2" (solid, pour order 530): 3603.11,3120 3585,3101.89 3585,3014.35 3594.35,3005 3620,3005 3635,3020 3635,3105 3620,3120
NetR175_1 on Top Layer "Top Layer-NetR175_1" (solid, pour order 528): 3525.63,3060 3507.52,3041.89 3507.52,2925 3517.52,2915 3562.52,2915 3574.86,2927.34 3574.86,3042.66 3557.52,3060
NetR175_1 on Top Layer "Top Layer-NetR175_1 1" (solid, pour order 526): 3455.77,2979.91 3437.66,2961.8 3437.66,2844.91 3447.66,2834.91 3504.91,2834.91 3517.66,2847.66 3517.66,2969.74 3507.5,2979.91
GND on Top Layer "Top Layer-GND 76" (solid, pour order 524): 4950,2481 4960,2471 5052.94,2471 5066.69,2484.76 5066.69,2517.24 5052.93,2531 4960,2531 4950,2521
GND on Top Layer "Top Layer-GND 77" (solid, pour order 522): 4705,2470 4715,2460 4807.94,2460 4821.69,2473.76 4821.69,2506.24 4807.93,2520 4715,2520 4705,2510
GND on Top Layer "Top Layer-GND 78" (solid, pour order 520): 4508.15,2507.54 4508.15,2565.75 4495.21,2578.68 4461.09,2578.68 4448.16,2565.76 4448.15,2500.75 4463.15,2485.75 4486.36,2485.75
GND on Top Layer "Top Layer-GND 79" (solid, pour order 518): 5033.03,3010 5023.03,3000 5023.03,2875 5033.03,2865 5078.03,2865 5083.03,2870 5083.03,3000 5073.03,3010
GND on Top Layer "Top Layer-GND 82" (solid, pour order 512): 4348.74,2930.51 4338.74,2920.51 4338.74,2806.77 4350.51,2795 4385.63,2795 4398.74,2808.11 4398.74,2920.51 4388.74,2930.51
GND on Top Layer "Top Layer-GND 83" (solid, pour order 510): 4105,2935.63 4095,2925.63 4095,2800.63 4105,2790.63 4150,2790.63 4155,2795.63 4155,2925.63 4145,2935.63
GND on Top Layer "Top Layer-GND 84" (solid, pour order 508): 3860,2935.63 3850,2925.63 3850,2800.63 3860,2790.63 3905,2790.63 3910,2795.63 3910,2925.63 3900,2935.63
GND on Top Layer "Top Layer-GND 85" (solid, pour order 506): 3621.36,2923.49 3611.36,2913.49 3611.36,2788.49 3621.36,2778.49 3666.36,2778.49 3671.36,2783.49 3671.36,2913.49 3661.36,2923.49
LIM_MCU1 on Top Layer "Top Layer-LIM_MCU1" (solid, pour order 500): 2125,3100 2125,2890.09 2135,2880.09 2175,2880.09 2190,2895.09 2190,3105.17 2185,3110.09 2134.06,3109.22
GND on Top Layer "Top Layer-GND 86" (solid, pour order 498): 3055,3010 3045,3000 3045,2875 3055,2865 3100,2865 3105,2870 3105,3000 3095,3010
GND on Top Layer "Top Layer-GND 87" (solid, pour order 496): 3291.36,3009 3281.36,2999 3281.36,2874 3291.36,2864 3336.36,2864 3341.36,2869 3341.36,2999 3331.36,3009
V-POS5V on Top Layer "Top Layer-V-POS5V 5" (solid, pour order 418): 4030.94,3467.17 4030.94,3318.49 4050,3299.43 4115,3299.43 4129.69,3314.12 4129.68,3470.28 4120.53,3479.43 4043.21,3479.43
NetR138_2 on Top Layer "Top Layer-NetR138_2" (solid, pour order 494): 3211.36,3009 3201.36,2999 3201.36,2874 3211.36,2864 3256.36,2864 3261.36,2869 3261.36,2999 3251.36,3009
GND on Top Layer "Top Layer-GND 88" (solid, pour order 492): 2805,3005 2795,2995 2795,2870 2805,2860 2850,2860 2855,2865 2855,2995 2845,3005
GND on Top Layer "Top Layer-GND 89" (solid, pour order 486): 2325,3010.51 2315,3000.51 2315,2875.51 2325,2865.51 2370,2865.51 2375,2870.51 2375,3000.51 2365,3010.51
GND on Top Layer "Top Layer-GND 90" (solid, pour order 484): 2555,3005 2545,2995 2545,2870 2555,2860 2600,2860 2605,2865 2605,2995 2595,3005
NetR193_2 on Top Layer "Top Layer-NetR193_2" (solid, pour order 482): 4954.88,3010.51 4944.88,3000.51 4944.88,2875.51 4954.88,2865.51 4999.88,2865.51 5004.88,2870.51 5004.88,3000.51 4994.88,3010.51
NetR207_2 on Top Layer "Top Layer-NetR207_2" (solid, pour order 480): 4705,2998.01 4700,2993.01 4700,2858.01 4705,2853.01 4747.38,2853.01 4751.05,2856.68 4751.05,2991.96 4745,2998.01
NetR208_2 on Top Layer "Top Layer-NetR208_2" (solid, pour order 470): 4440,3009.35 4430,2999.35 4430,2874.35 4440,2864.35 4485,2864.35 4490,2869.35 4490,2999.35 4480,3009.35
NetR102_2 on Top Layer "Top Layer-NetR102_2" (solid, pour order 468): 2980,3015 2970,3005 2970,2880 2980,2870 3025,2870 3030,2875 3030,3005 3020,3015
NetR99_2 on Top Layer "Top Layer-NetR99_2" (solid, pour order 460): 2730,3010 2720,3000 2720,2875 2730,2865 2775,2865 2780,2870 2780,3000 2770,3010
NetR98_2 on Top Layer "Top Layer-NetR98_2" (solid, pour order 458): 2485,3010 2475,3000 2475,2875 2485,2865 2530,2865 2535,2870 2535,3000 2525,3010
NetR93_2 on Top Layer "Top Layer-NetR93_2" (solid, pour order 456): 2239.37,3007.26 2229.37,2997.26 2229.37,2872.26 2239.37,2862.26 2284.37,2862.26 2289.37,2867.26 2289.37,2997.26 2279.37,3007.26
V-POS5V on Top Layer "Top Layer-V-POS5V" (solid, pour order 450): 5047.17,3371.09 5042.17,3366.09 5042.17,3274.24 5055.31,3261.09 5087.17,3261.09 5092.17,3266.09 5092.17,3366.09 5087.17,3371.09
V-POS5V on Top Layer "Top Layer-V-POS5V 10" (solid, pour order 448): 4898.44,3367.09 4892.44,3361.09 4892.28,3312.73 4898.99,3306 4931,3306 4937.16,3312.16 4937.17,3362.09 4932.17,3367.09
V-POS5V on Top Layer "Top Layer-V-POS5V 13" (solid, pour order 446): 5222.17,3346.09 5222.16,3327.83 5248.91,3301.09 5462.16,3301.09 5507.17,3346.09 5460.08,3346.09 5460.08,3340.08 5450,3330 5276.52,3330 5274.57,3331.95 5274.57,3343.49
THERM_OUT_2 on Top Layer "Top Layer-THERM_OUT_2" (solid, pour order 436): 4961.54,3506.09 4957.17,3501.72 4957.16,3271.09 4967.16,3261.09 5012.17,3261.09 5022.17,3271.09 5022.17,3496.09 5012.17,3506.09
I2C2_SDA on Top Layer "Top Layer-I2C2_SDA" (solid, pour order 434): 4860,3875 4860,3815 4865,3810 4900,3810 4905,3815 4905,3865 4895,3875
V-POS5V on Top Layer "Top Layer-V-POS5V 2" (solid, pour order 218): 5657.6,4270 5619.72,4307.87 5619.72,4429.06 5598.78,4450 5515,4450 5507.76,4442.76 5507.76,4254.49 5520,4242.24 5595,4167.24 5595,4118.7 5603.7,4110 5667.44,4110 5685,4127.56 5685,4242.6
NetR2_1 on Top Layer "Top Layer-NetR2_1" (solid, pour order 318): 5320.19,4022.87 5320,4015.12 5320,3813.4 5322.24,3811.16 5361.28,3811.16 5365,3814.88 5365,4019.88 5360,4024.88 5322.24,4024.88
NetR3_1 on Top Layer "Top Layer-NetR3_1" (solid, pour order 316): 5259.59,4024.88 5250,4015.29 5250,3814.56 5255,3809.56 5305,3809.56 5308.32,3813.1 5308.27,3816.61 5308.27,4021.61 5305,4024.88
GND on Top Layer "Top Layer-GND 26" (solid, pour order 422): 17 vertices, not listed, extent 4605,3520.63 4830,3589.88
V-POS5V on Top Layer "Top Layer-V-POS5V 6" (solid, pour order 416): 3639.14,3444.43 3639.14,3488.41 3608.04,3516.61 3544.35,3516.15 3538.49,3510.25 3538.49,3379.77 3538.49,3307.51 3541.57,3304.43 3794.19,3304.44 3809.14,3319.43 3809.14,3427.01 3796.72,3439.43 3644.14,3439.43
MCU_STAT_FDBK on Top Layer "Top Layer-MCU_STAT_FDBK" (solid, pour order 368): 6275.51,2880 6270,2874.49 6270,2775 6275,2770 6335,2770 6340,2775 6340,2875 6335,2880
GND on Top Layer "Top Layer-GND 27" (solid, pour order 412): 4960,4353.66 4960,4314.88 4968.74,4306.14 4971.26,4306.14 5026.26,4306.14 5030,4309.88 5030,4354.88 5025,4359.88 4965,4359.88
GND on Top Layer "Top Layer-GND 28" (solid, pour order 410): 4940,4325 4894.9,4324.79 4875,4304.88 4875,4199.88 4910,4164.88 4985,4164.88 4985,4224.88 4980,4229.88 4950,4229.88 4940,4239.88
V-POS5V on Top Layer "Top Layer-V-POS5V 7" (solid, pour order 408): 5090,4454.88 4915,4454.88 4880.63,4420.51 4880.63,4336.14 4879.37,4334.88 4884.37,4329.88 4930,4329.88 4940,4329.88 4945,4334.88 4945,4359.76 4955,4369.76 5056.93,4369.76 5100,4412.83 5100,4444.88
GND on Top Layer "Top Layer-GND 29" (solid, pour order 406): 4886.4,4469.88 4929.88,4469.88 4940,4480 4940,4574.92 4925,4589.88 4887.43,4589.88 4879.37,4581.83 4879.37,4476.91
NetR74_1 on Top Layer "Top Layer-NetR74_1" (solid, pour order 404): 17 vertices, not listed, extent 4653.54,3585 4820,3720
NetR73_1 on Top Layer "Top Layer-NetR73_1" (solid, pour order 402): 17 vertices, not listed, extent 4653.54,3705 4830,3870
NetR156_1 on Top Layer "Top Layer-NetR156_1" (solid, pour order 398): 6440,3190 6450,3180 6445,3175 6445,3060 6435,3050 6395,3050 6390,3055 6390,3065 6390,3131 6389,3131 6370.12,3149.88 6370.12,3185.12 6375,3190
TELEM_I_12V on Top Layer "Top Layer-TELEM_I_12V" (solid, pour order 396): 6370,3125 6365,3130 6265,3130 6255,3120 6255,3035 6270,3020 6355,3020 6370,3035